# Altium PCB test_stand.PcbDoc (part 1 of 2)
Units mm, origin at the board's own origin, x right, y up, seen from the top; angles counter-clockwise.
Board outline 94 x 80 mm, 2 copper layers (Top Layer, Bottom Layer); 208 components, 161 nets, 723 pads, 235 vias.
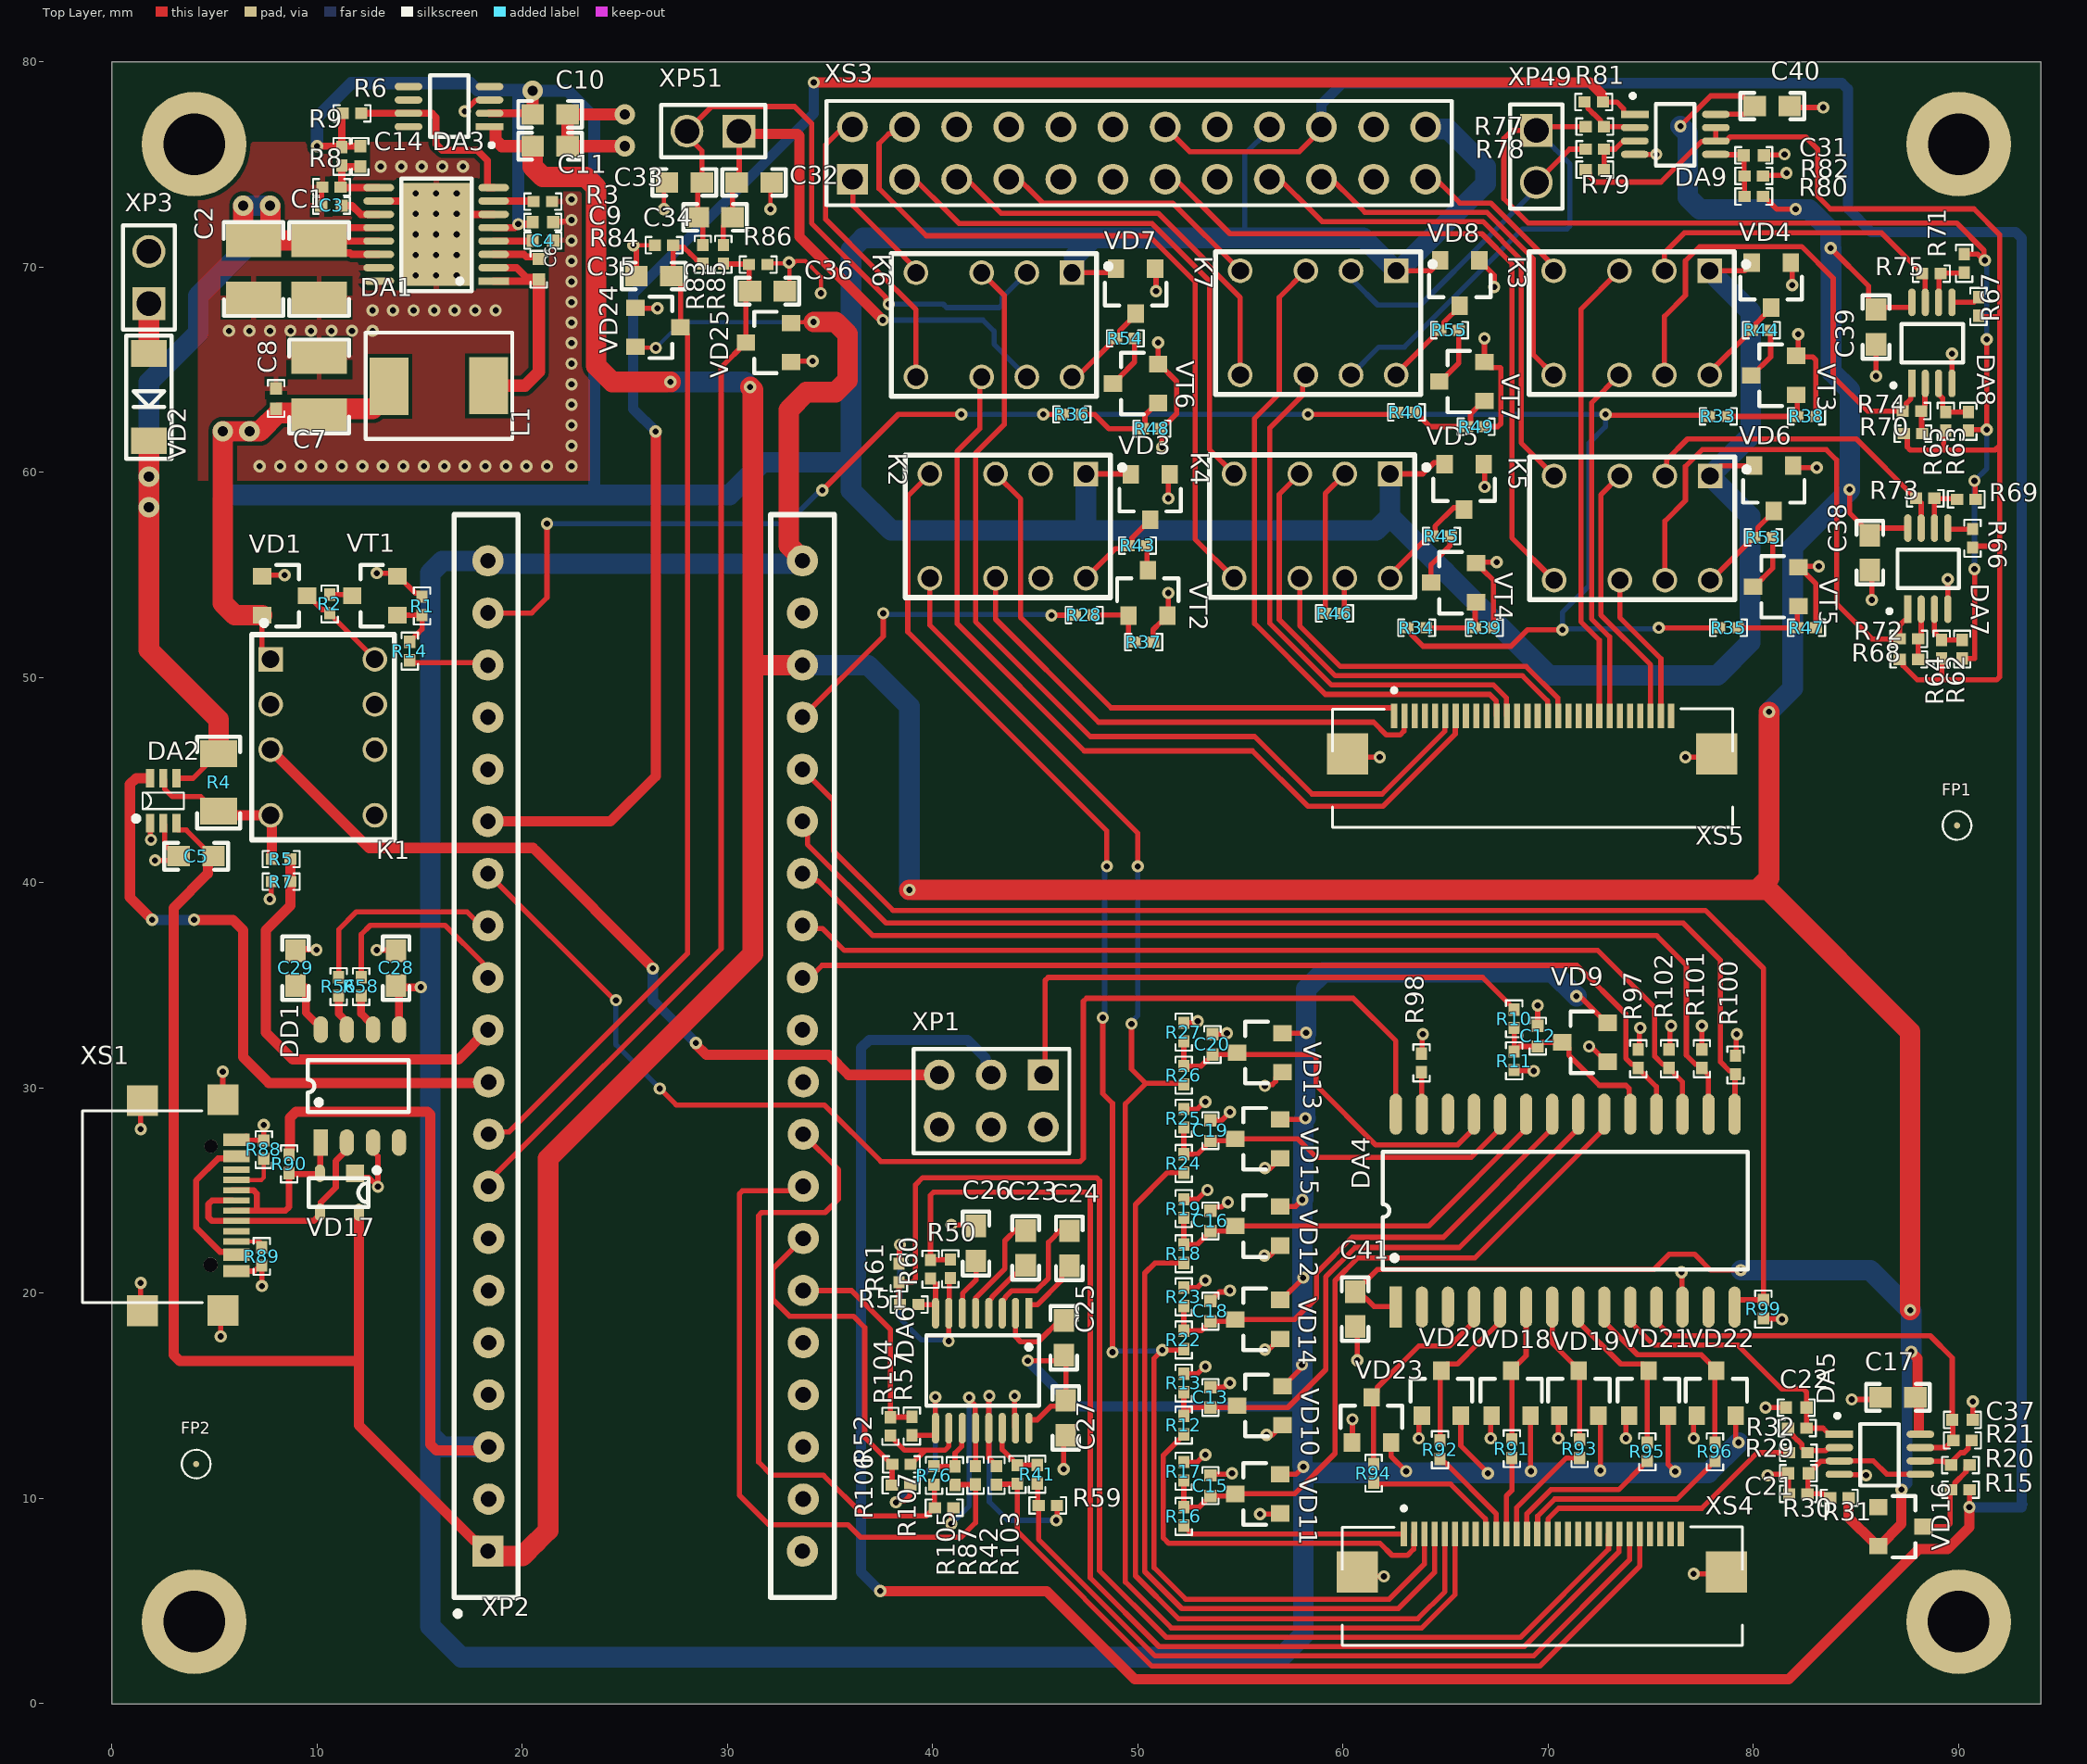
[diagram p0: Top Layer view]
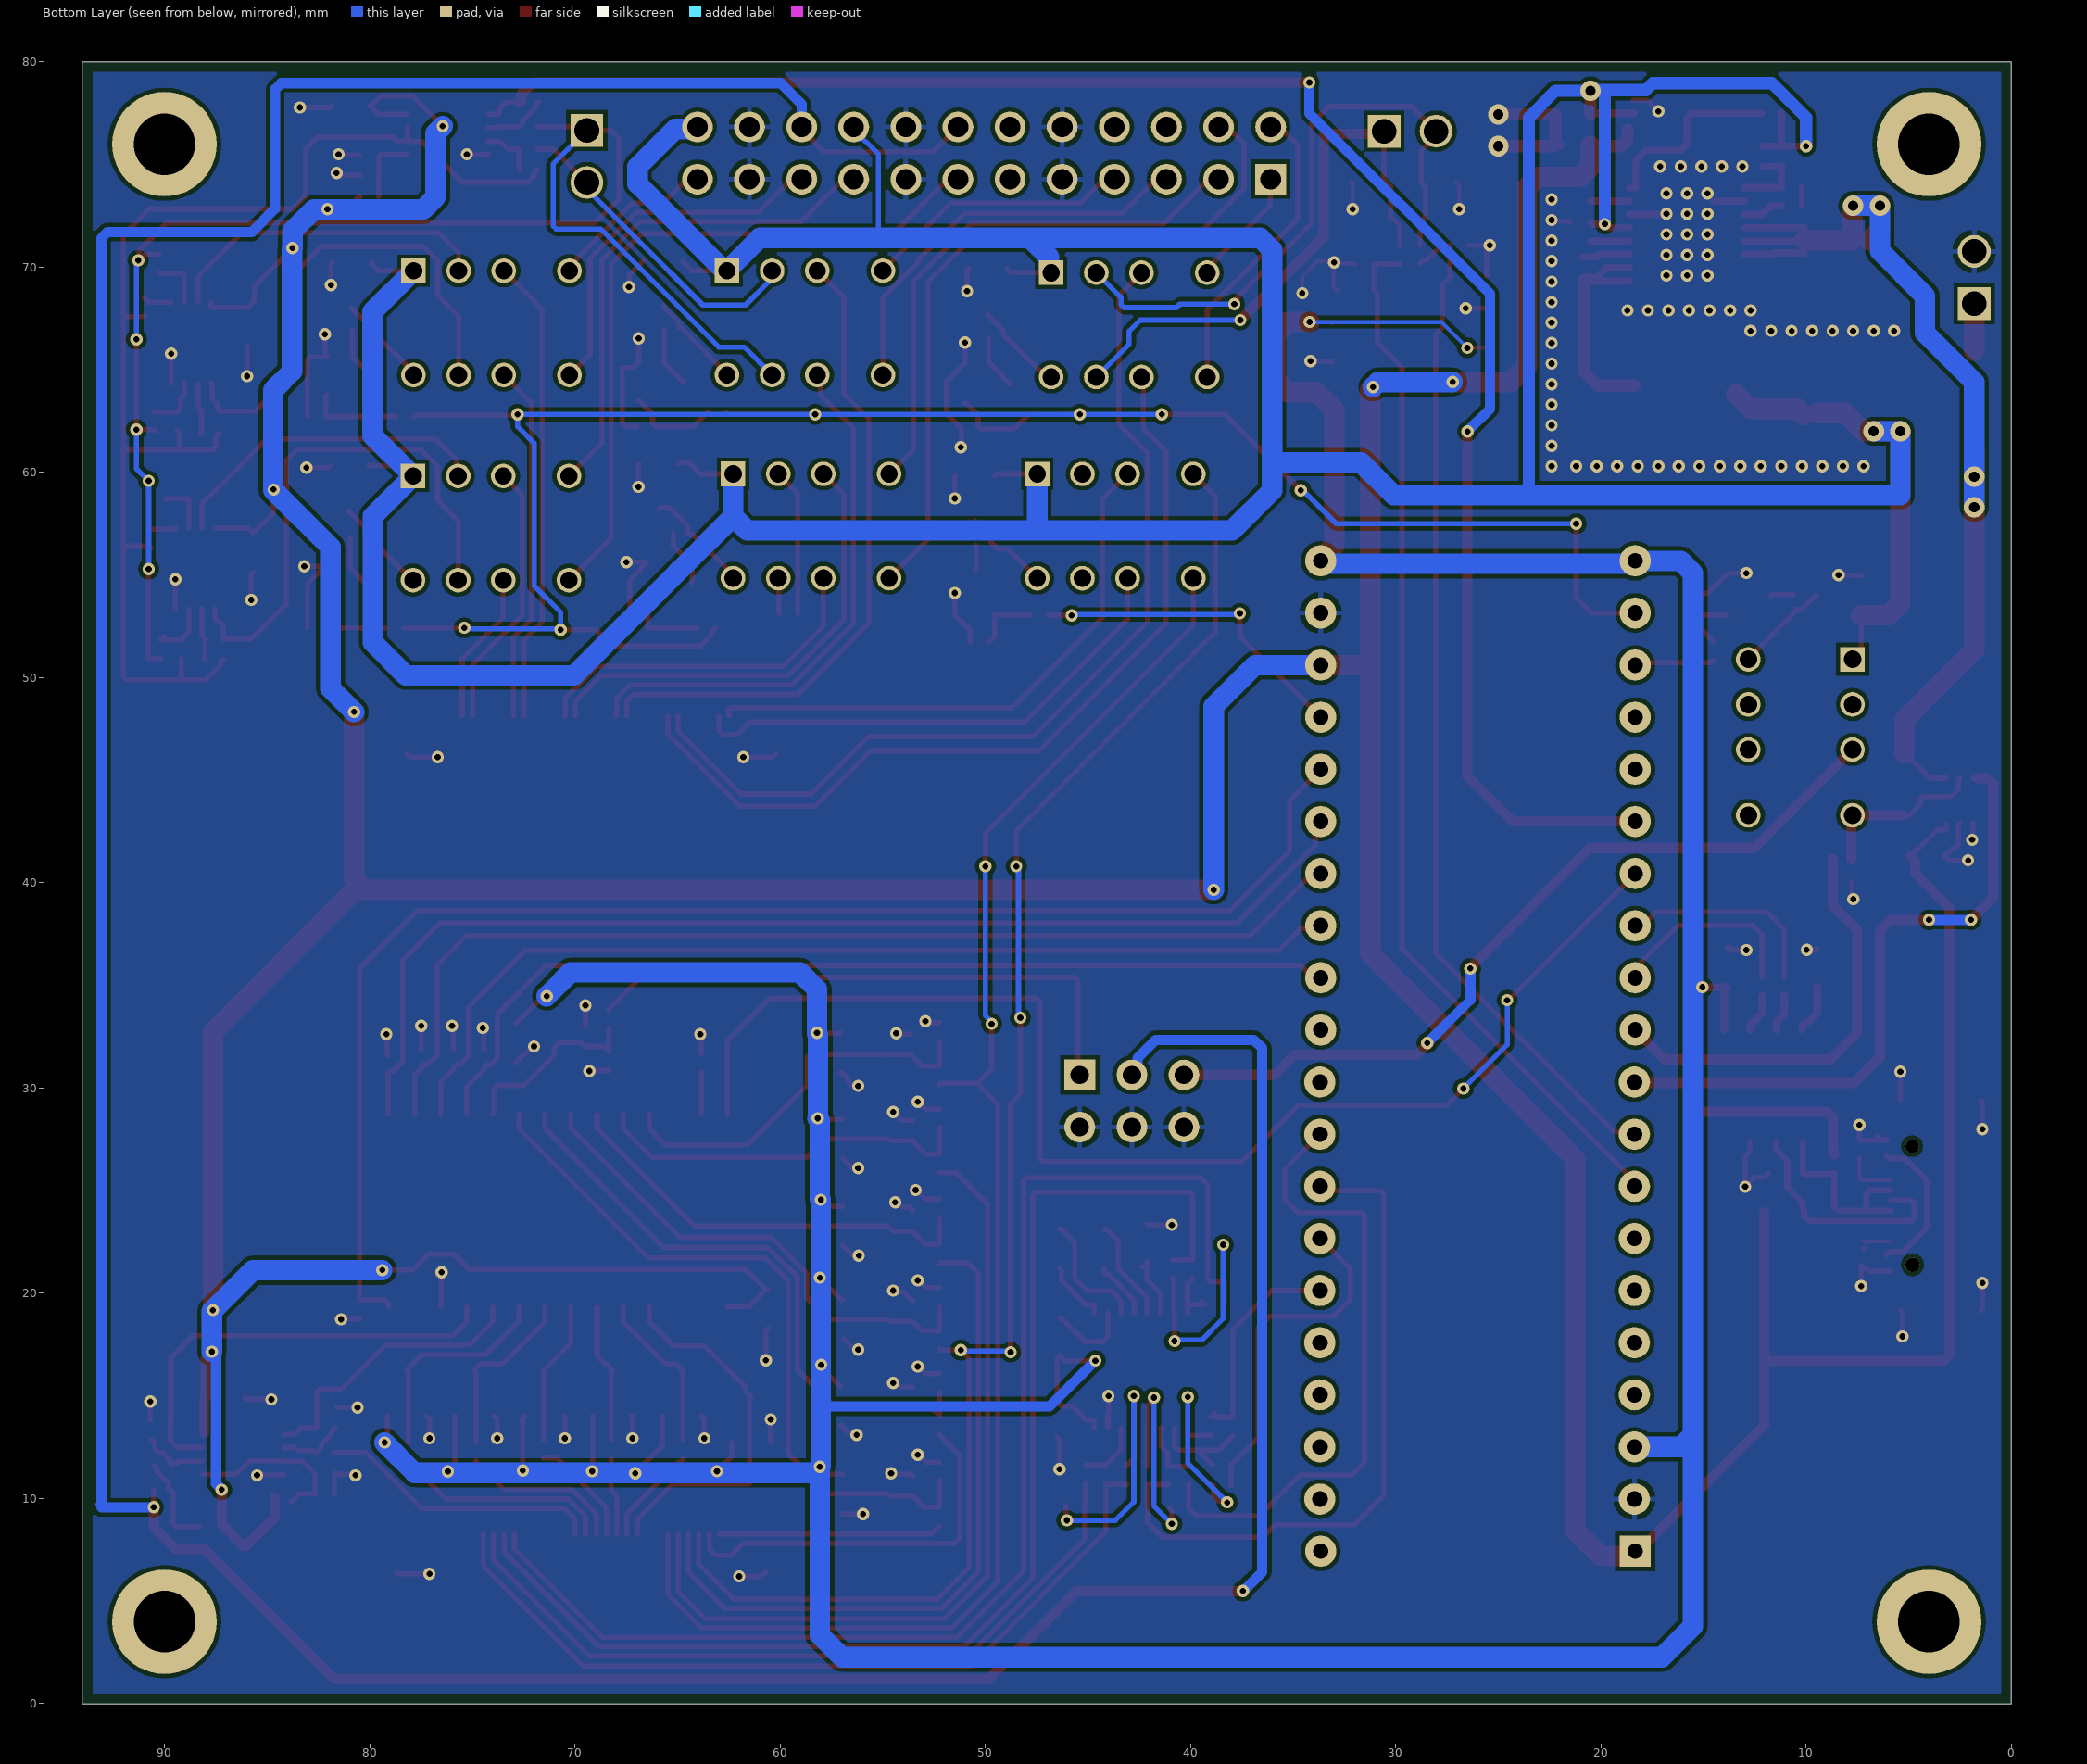
[diagram p1: Bottom Layer view, seen from below]

## Layer stack, top to bottom
Top Solder: solder mask 0.0102, Solder Resist, Dk 3.5
Top Layer: signal copper 0.0356
Dielectric 1: dielectric 0.32, FR-4, Dk 4.8
Bottom Layer: signal copper 0.0356
Bottom Solder: solder mask 0.0102, Solder Resist, Dk 3.5

## Board outline
0,-0.002 94,-0.002 94,79.998 0,79.998

## Design rules (kind name [scope] priority, off if disabled: settings)
Clearance [All] p1: gap=0.2 ignorepadtopadclearanceinfootprint=TRUE
DiffPairsRouting [All] p1: maxlimit=0.254 minlimit=0.2 mostfreqgap=0.254 toplayer_minwidth=0.3 toplayer_maxwidth=0.381 toplayer_prefwidth=0.381 bottomlayer_minwidth=0.3 bottomlayer_maxwidth=0.381 bottomlayer_prefwidth=0.381 maxuncoupledlength=12.7
HoleSize [All] p1: absolutevalues=TRUE maxlimit=5 minlimit=0.025 maxpercent=80.000 minpercent=20.000
HoleToHoleClearance [All] p1: gap=0.2 allowstackedmicrovias=TRUE
MinimumSolderMaskSliver [All] p1: minsoldermaskwidth=0
PolygonConnect [All] p1: thpad.connectstyle=Relief thpad.reliefconductorwidth=0.254 thpad.reliefentries=4 thpad.polygonreliefangle="90 Angle" thpad.airgapwidth=0.254 smdpad.connectstyle=Relief smdpad.reliefconductorwidth=0.254 smdpad.reliefentries=4 smdpad.polygonreliefangle="90 Angle" smdpad.airgapwidth=0.254 via.connectstyle=Direct via.reliefconductorwidth=0.254 via.reliefentries=4 via.polygonreliefangle="90 Angle" via.airgapwidth=0.254
RoutingVias [All] p1: holewidth=0.711 width=1.27 viastyle="Through Hole" minholewidth=0.711 minwidth=1.27 maxholewidth=0.711 maxwidth=1.27
SilkToSilkClearance [All] p1: silktosilkclearance=0
SilkToSolderMaskClearance [IsPad] p1: minsilkscreentomaskgap=0 clearancetoexposedcopper=TRUE
SolderMaskExpansion [All] p1: expansion=0.102 istentingtop=FALSE
UnRoutedNet [All] p1: checkbadconnections=TRUE
Width [All] p1: maxlimit=1 minlimit=0.1 preferedwidth=0.254
23 further rules are at their usual default settings.

## Classes and differential pairs
component class STM: C23 C24 C25 C26 C27 DA6 R41 R42 R50 R51 R52 R57 R59 R60 R61 R76 R87 R103 R104 R105 R106 R107 XP2
component class Rele: R28 R33 R34 R35 R36 R37 R38 R39 R40 R43 R44 R45 R46 R47 R48 R49 R53 R54 R55 VD3 VD4 VD5 VD6 VD7 VD8 VT2 VT3 VT4 VT5 VT6 VT7 К2 К3 К4 К5 К6 К7
component class Power: C1 C2 C3 C4 C5 C6 C7 C8 C9 C10 C11 C14 DA1 DA2 DA3 L1 R1 R2 R3 R4 R5 R6 R7 R8 R9 R14 VD1 VD2 VT1 XP3 К1
component class Peltie: C32 C33 C34 C35 C36 R83 R84 R85 R86 VD24 VD25 XP51
component class MUX: C41 DA4 R91 R92 R93 R94 R95 R96 R97 R98 R99 R100 R101 R102 VD18 VD19 VD20 VD21 VD22 VD23
component class ControlPoint: C12 C13 C15 C16 C17 C18 C19 C20 C21 C22 C37 DA5 R10 R11 R12 R13 R15 R16 R17 R18 R19 R20 R21 R22 R23 R24 R25 R26 R27 R29 R30 R31 R32 VD9 VD10 VD11 VD12 VD13 VD14 VD15 VD16 XP1 XS4 XS5
component class Connectors: C28 C29 DD1 FP1 FP2 R56 R58 R88 R89 R90 VD17 XS1 XS3
component class Check_Laser: C31 C38 C39 C40 DA7 DA8 DA9 R62 R63 R64 R65 R66 R67 R68 R69 R70 R71 R72 R73 R74 R75 R77 R78 R79 R80 R81 R82 XP49
differential pair D: +D_P -D_N

## Components (designator, comment, footprint, x,y, rotation, side; value= is the part's Value field where it differs from the comment)
C1 "22uF" 1210C 10.1,69.9 r90 top
C2 "22uF" 1210C 6.9,69.9 r90 top
C3 "10nF" 0402C 10.7,73 r0 top
C4 "10uF" 0402C 21,71.3 r180 top
C5 "0.1uF" 0603C 4.1,41.3 r0 top
C6 "470nF" 0402C 20.8,69.9 r270 top
C7 "100uF" 1210C 10.1,64.2 r270 top
C8 "100nF" 0402C 8,63.6 r270 top
C9 "100nF" 0402C 21,72.2 r180 top
C10 "1uF" 0603C 21.35,77.45 r180 top
C11 "1uF" 0603C 21.35,75.9 r180 top
C12 "100nF" 0402C 69.487,32.531 r270 top
C13 "100nF" 0402C 53.538,14.928 r270 top
C14 "10nF" 0402C 12.1,75.4 r90 top
C15 "100nF" 0402C 53.538,10.628 r270 top
C16 "100nF" 0402C 53.538,23.528 r270 top
C17 "0.1uF" 0603C 87.037,14.931 r180 top
C18 "100nF" 0402C 53.538,19.128 r270 top
C19 "100nF" 0402C 53.538,27.928 r270 top
C20 "100nF" 0402C 53.638,32.128 r270 top
C21 "10nF" 0402C 82.187,11.231 r0 top
C22 "10nF" 0402C 82.087,14.431 r0 top
C23 "0.1uF" 0603C 44.532,22.208 r270 top
C24 "0.1uF" 0603C 46.658,22.194 r270 top
C25 "0.1uF" 0603C 46.387,17.831 r270 top
C26 "0.1uF" 0603C 42.107,22.425 r270 top
C27 "0.1uF" 0603C 46.487,13.931 r90 top
C28 "0.1uF" 0603C 13.847,35.848 r270 top
C29 "0.1uF" 0603C 8.947,35.848 r270 top
C31 "100nF" 0402C 80.016,75.45 r180 top
C32 "1uF" 0603C 31.296,74.131 r0 top
C33 "1uF" 0603C 27.896,74.131 r180 top
C34 "1uF" 0603C 29.396,72.431 r0 top
C35 "1uF" 0603C 26.406,69.572 r0 top
C36 "1uF" 0603C 31.946,68.831 r180 top
C37 "10nF" 0402C 90.187,13.831 r180 top
C38 "0.1uF" 0603C 85.673,56.09 r270 top
C39 "0.1uF" 0603C 85.973,67.09 r270 top
C40 "0.1uF" 0603C 80.916,77.85 r0 top
C41 "0.1uF" 0603C 60.587,19.231 r270 top
DA1 "LM43603PWPR" TSSOP-17 15.8,71.6 r90 top value=LM43603QWPR
DA2 "INA210AIDCKT" SC-70-6 2.5,44 r0 top
DA3 "ADP3333ARMZ-5" MSOP-8 18.4,76.85 r90 top
DA4 "MPC506AU" SOIC-28 70.825,24.029 r90 top
DA5 "AD8066ARMZ" MSOP-8 84.187,13.131 r270 top
DA6 "ADM3202ARU" TSSOP-16 42.412,16.231 r180 top
DA7 "AD8066ARMZ" MSOP-8 87.523,53.34 r0 top
DA8 "AD8066ARMZ" MSOP-8 87.723,64.34 r0 top
DA9 "AD8066ARMZ" MSOP-8 74.216,77.45 r270 top
DD1 "CH340N" SOP8 10.177,27.348 r90 top
FP1 "FIDUCIAL" "FIDICIAL POINT - R0.3" 89.92,42.798 r0 top
FP2 "FIDUCIAL" "FIDICIAL POINT - R0.3" 4.103,11.68 r0 top
L1 "IHLP2020BZER3R3M01" IHLP2020CZ-01 18.351,64.225 r180 top
R1 "1K" R0402 15.11,53.494 r270 top
R2 "24R" R0402 10.61,53.594 r270 top
R3 "18.2K" R0402 21,73.2 r180 top
R4 "0.018R" R1206 5.2,44.9 r270 top
R5 "100K" R0402 8.242,41.16 r0 top
R6 "10K" R0402 11.7,77.5 r180 top
R7 "20K" R0402 8.242,40.06 r180 top
R8 "8.2K" R0402 10.7,73.9 r0 top
R9 "40.2K" R0402 11.2,75.4 r90 top
R10 "100K" R0402 68.337,33.378 r270 top
R11 "56K" R0402 68.338,31.328 r270 top
R12 "100K" R0402 52.237,13.578 r90 top
R13 "56K" R0402 52.238,15.628 r90 top
R14 "100R" R0402 14.51,51.294 r270 top
R15 "100R" R0402 90.087,10.431 r180 top
R16 "100K" R0402 52.238,9.128 r90 top
R17 "56K" R0402 52.238,11.328 r90 top
R18 "100K" R0402 52.238,21.928 r90 top
R19 "56K" R0402 52.238,24.128 r90 top
R20 "100K" R0402 90.087,11.631 r180 top
R21 "10K" R0402 90.187,12.831 r180 top
R22 "100K" R0402 52.238,17.728 r90 top
R23 "56K" R0402 52.238,19.828 r90 top
R24 "100K" R0402 52.238,26.328 r90 top
R25 "56K" R0402 52.238,28.528 r90 top
R26 "100K" R0402 52.238,30.628 r90 top
R27 "56K" R0402 52.238,32.728 r90 top
R28 "100R" R0402 47.383,53.054 r180 top
R29 "100K" R0402 82.187,12.231 r0 top
R30 "100K" R0402 82.187,10.231 r0 top
R31 "100K" R0402 84.187,10.031 r0 top
R32 "10K" R0402 82.137,13.431 r0 top
R33 "100R" R0402 78.287,62.731 r180 top
R34 "100R" R0402 63.587,52.431 r180 top
R35 "100R" R0402 78.787,52.431 r180 top
R36 "100R" R0402 46.787,62.831 r180 top
R37 "1K" R0402 50.287,51.731 r180 top
R38 "1K" R0402 82.587,62.731 r180 top
R39 "1K" R0402 66.887,52.431 r180 top
R40 "100R" R0402 63.087,62.931 r180 top
R41 "0R" R0402 45.092,11.182 r90 top
R42 "0R" R0402 43.109,11.125 r90 top
R43 "24R" R0402 49.987,56.431 r180 top
R44 "24R" R0402 80.387,66.931 r180 top
R45 "24R" R0402 64.8,56.9 r180 top
R46 "10K" R0402 59.587,53.131 r180 top
R47 "1K" R0402 82.587,52.431 r180 top
R48 "1K" R0402 50.687,62.131 r180 top
R49 "1K" R0402 66.487,62.231 r180 top
R50 "0R" R0402 40.86,21.192 r270 top
R51 "0R" R0402 38.85,19.454 r0 top
R52 "0R" R0402 38.474,11.663 r180 top
R53 "24R" R0402 80.487,56.831 r180 top
R54 "24R" R0402 49.387,66.531 r180 top
R55 "24R" R0402 65.187,66.931 r180 top
R56 "33R" R0402 11.047,34.948 r90 top
R57 "0R" R0402 38.987,13.531 r90 top
R58 "33R" R0402 12.147,34.948 r90 top
R59 "0R" R0402 45.608,9.66 r0 top
R60 "0R" R0402 39.894,21.174 r270 top
R61 "0R" R0402 38.355,20.994 r90 top
R62 "10K" R0402 90.173,51.39 r90 top
R63 "10K" R0402 90.473,62.49 r90 top
R64 "10K" R0402 89.173,51.39 r270 top
R65 "10K" R0402 89.373,62.49 r270 top
R66 "10K" R0402 90.673,56.79 r270 top
R67 "10K" R0402 90.973,68.09 r270 top
R68 "10K" R0402 87.573,50.89 r180 top
R69 "10K" R0402 90.373,58.69 r180 top
R70 "10K" R0402 87.773,61.89 r180 top
R71 "10K" R0402 90.273,70.19 r270 top
R72 "10K" R0402 87.573,51.89 r180 top
R73 "10K" R0402 88.373,58.74 r180 top
R74 "10K" R0402 87.723,62.99 r180 top
R75 "10K" R0402 88.673,69.69 r180 top
R76 "0R" R0402 40.063,11.124 r270 top
R77 "10K" R0402 72.266,76.85 r0 top
R78 "10K" R0402 72.266,75.75 r0 top
R79 "10K" R0402 72.266,74.75 r180 top
R80 "20K" R0402 80.016,73.45 r180 top
R81 "10K" R0402 72.216,78.05 r0 top
R82 "10K" R0402 80.016,74.45 r180 top
R83 "100K" R0402 28.796,70.631 r90 top
R84 "56K" R0402 26.906,71.072 r180 top
R85 "100K" R0402 29.796,70.631 r90 top
R86 "56K" R0402 31.496,70.131 r0 top
R87 "0R" R0402 42.087,11.131 r270 top
R88 "5.1K" R0402 7.4,27 r270 top
R89 "5.1K" R0402 7.3,21.8 r270 top
R90 "1.5K" R0402 8.63,26.307 r90 top
R91 "100R" R0402 68.226,12.429 r90 top
R92 "100R" R0402 64.726,12.379 r90 top
R93 "100R" R0402 71.526,12.429 r90 top
R94 "100R" R0402 61.487,11.231 r90 top
R95 "100R" R0402 74.826,12.279 r90 top
R96 "100R" R0402 78.126,12.279 r90 top
R97 "10K" R0402 74.387,31.431 r90 top
R98 "0R" R0402 63.825,31.229 r270 top
R99 "10K" R0402 80.487,19.231 r90 top
R100 "10K" R0402 79.125,31.129 r270 top
R101 "10K" R0402 77.487,31.431 r270 top
R102 "10K" R0402 75.887,31.431 r270 top
R103 "0R" R0402 44.127,11.175 r90 top
R104 "0R" R0402 37.939,13.516 r90 top
R105 "0R" R0402 41.087,11.117 r270 top
R106 "0R" R0402 38.459,10.649 r180 top
R107 "0R" R0402 40.559,9.548 r180 top
VD1 "BAV99" SOT-23-3 8.41,53.994 r0 top
VD2 "MBRAF1540T3G" SMA-FL 1.8,63.67 r270 top
VD3 "BAV99" SOT-23-3 50.6,58.8 r270 top
VD4 "BAV99" SOT-23-3 80.864,69.127 r270 top
VD5 "BAV99" SOT-23-3 65.9,59.3 r270 top
VD6 "BAV99" SOT-23-3 80.987,59.231 r270 top
VD7 "BAV99" SOT-23-3 49.887,68.831 r270 top
VD8 "BAV99" SOT-23-3 65.687,69.231 r270 top
VD9 "BAV99" SOT-23-3 71.787,32.231 r180 top
VD10 "BAV99" SOT-23-3 55.938,14.528 r180 top
VD11 "BAV99" SOT-23-3 55.838,10.228 r180 top
VD12 "BAV99" SOT-23-3 55.837,23.278 r180 top
VD13 "BAV99" SOT-23-3 55.938,31.728 r180 top
VD14 "BAV99" SOT-23-3 55.838,18.728 r180 top
VD15 "BAV99" SOT-23-3 55.838,27.528 r180 top
VD16 "BAV99" SOT-23-3 87.187,8.631 r0 top
VD17 "PRTR5V0U2X" SOT143B 11.834,25.849 r270 top
VD18 "BAV99" SOT-23-3 68.187,15.131 r90 top
VD19 "BAV99" SOT-23-3 71.487,15.131 r90 top
VD20 "BAV99" SOT-23-3 64.787,15.131 r90 top
VD21 "BAV99" SOT-23-3 74.887,15.131 r90 top
VD22 "BAV99" SOT-23-3 78.187,15.131 r90 top
VD23 "BAV99" SOT-23-3 61.387,13.831 r90 top
VD24 "BAV99" SOT-23-3 26.606,67.072 r0 top
VD25 "BAV99" SOT-23-3 31.996,66.331 r180 top
VT1 "BSS138" SOT-23-3 12.81,53.994 r180 top
VT2 "BSS138" SOT-23-3 50.487,54.131 r90 top
VT3 "BSS138" SOT-23-3 80.987,64.731 r180 top
VT4 "BSS138" SOT-23-3 65.387,54.631 r180 top
VT5 "BSS138" SOT-23-3 81.087,54.431 r180 top
VT6 "BSS138" SOT-23-3 49.887,64.331 r180 top
VT7 "BSS138" SOT-23-3 65.787,64.431 r180 top
XP1 "PLD-6" PLD-6 45.392,30.641 r180 top
XP2 "STM32F411CEU6 Black Pill" "Black pill STM32F411CEU6" 18.322,7.434 r90 top
XP3 "PLS-2" PLS-2 1.8,69.5 r90 top
XP49 "3R" PLS-2 69.416,75.4 r270 top
XP51 "3R" PLS-2 29.296,76.631 r180 top
XS1 "TYPEC-304YSSW-ACP16" "USB-C 16P" 3.6,24.3 r90 top
XS3 "PLD-24" PLD-24 50.057,75.561 r0 top
XS4 "52437-2833" MOLEX_52437-2833 69.687,6.731 r0 top
XS5 "52437-2833" MOLEX_52437-2833 69.212,46.593 r0 top
К1 "HFD4/5" DIP-8 7.73,50.894 r0 top
К2 "HFD4/5" DIP-8 47.464,59.927 r270 top
К3 "HFD4/5" DIP-8 77.864,69.827 r270 top
К4 "HFD4/5" DIP-8 62.287,59.931 r270 top
К5 "HFD4/5" DIP-8 77.887,59.831 r270 top
К6 "HFD4/5" DIP-8 46.787,69.731 r270 top
К7 "HFD4/5" DIP-8 62.587,69.831 r270 top
